# Altium PCB mainboard.PcbDoc (part 5 of 7)
Units mm, origin at the board's own origin, x right, y up, seen from the top; angles counter-clockwise.
Board outline 298.75 x 332.5 mm, 4 copper layers (Top, Ground, Power, Bottom), stack 0.844 mm thick; 349 components, 403 nets, 3466 pads, 640 vias.
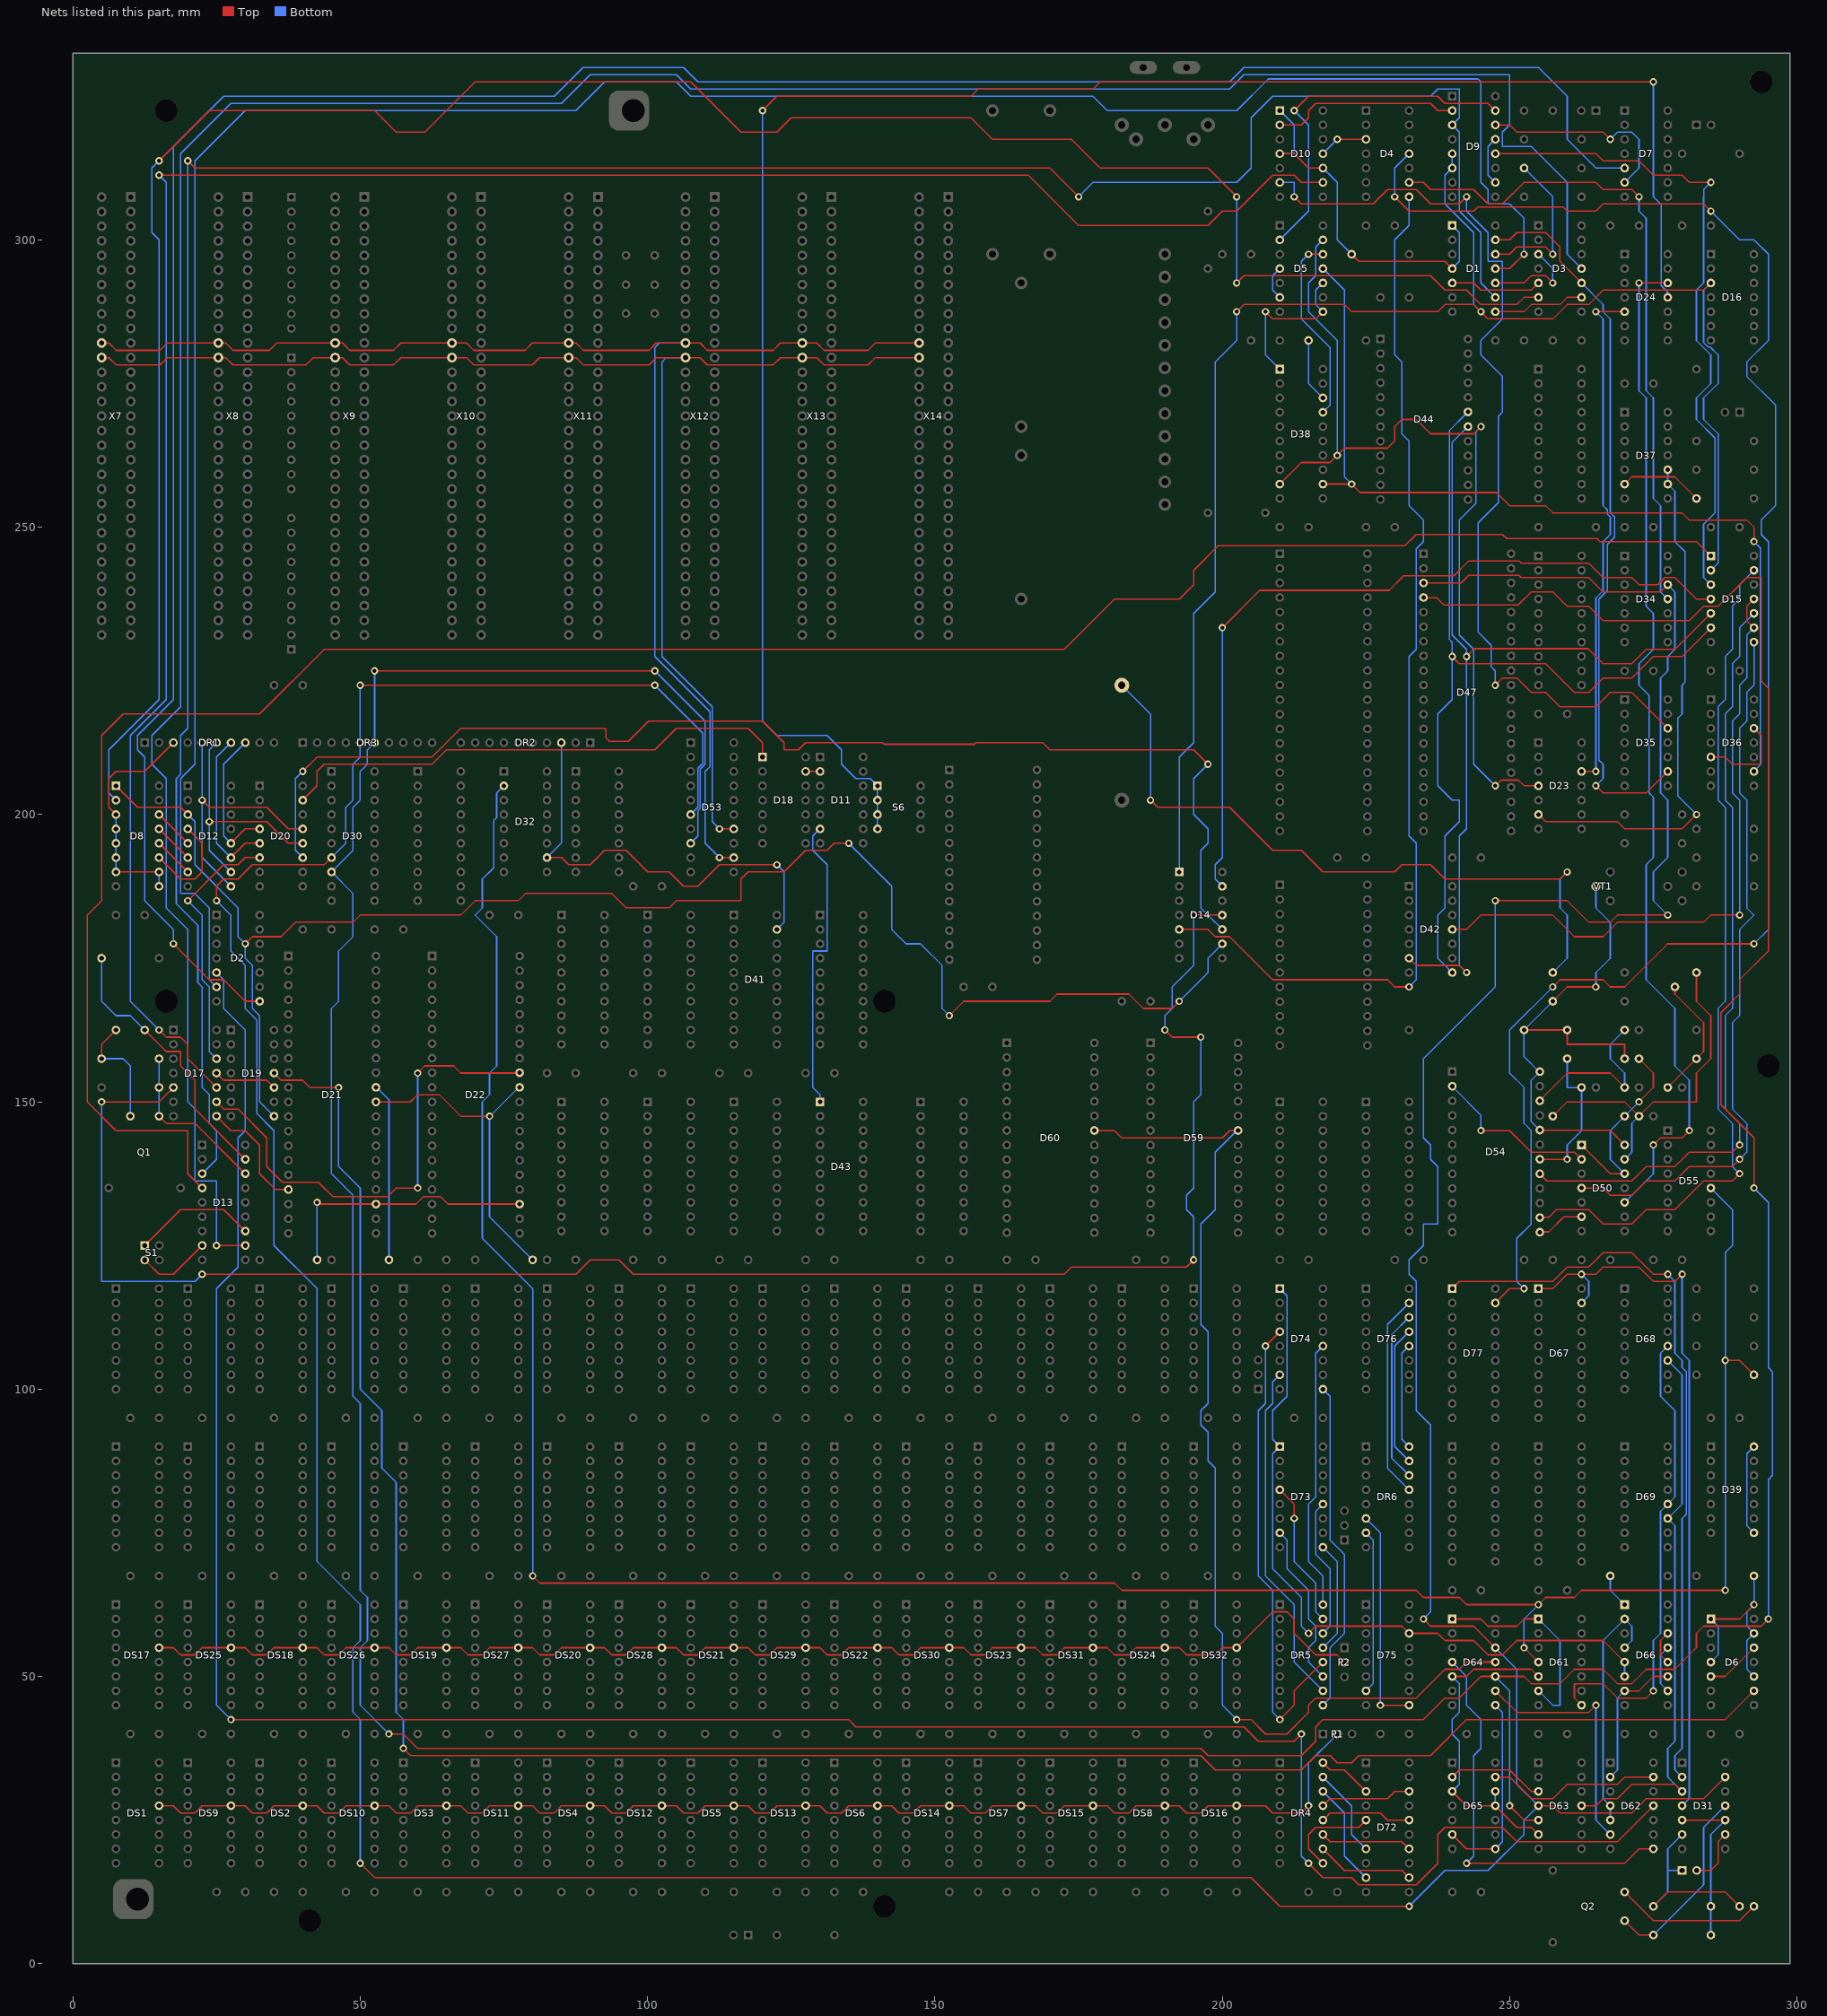
[diagram p7: the nets of this part, all layers, seen from the top]

## Via types
v1: diameter 1.27, hole 0.711, Top to Bottom, tented both sides, 640 vias

## Nets (pads, with @x,y where several pads share a name; then routed paths per layer and width w, separated by ;. In a path a pad name is that pad's centre, name@x,y a point inside that pad or via, vN(x,y) a via of type N, cw(c..) or ccw(c..) an arc to the next point about the centre after c; other vN are vias at no path point) (continued)
MEM16/: D32.2 D55.12 D61.4 R29.1 | length 446.6
  Top w0.254: v1(79.998,67.5) 81.248,66.25 181.248,66.25 182.498,65 233.748,65 234.998,63.75 241.248,63.75 242.498,62.5 v1(254.998,62.5) 256.248,63.75 261.248,63.75 262.498,65 v1(287.498,65) ; v1(252.498,55) D61.4@254.998,52.5 ; v1(287.498,105) 289.998,105 R29.1@292.498,102.5
  Bottom w0.254: D32.2@74.998,205 73.748,203.75 73.748,199.468 73.24,198.96 73.24,190.742 71.248,188.75 71.248,183.75 69.998,182.5 73.748,178.75 73.748,156.25 72.498,155 72.498,151.25 71.248,150 71.248,126.25 79.998,117.5 v1(79.998,67.5) ; v1(252.498,55) 252.498,60 v1(254.998,62.5) ; D55.12@284.998,135 288.748,131.25 288.748,125 287.498,123.75 v1(287.498,105) v1(287.498,65)
MEMC/: D61.5 D63.6 D64.5 D65.3 D65.11 D65.12 | length 58.7
  Top w0.254: D65.3@239.998,30 240,30 242.5,27.5 D65.11@247.498,27.5 251.248,23.75 253.748,23.75 D63.6@254.998,22.5 ; D64.5@239.998,50 242.5,50 243.75,51.25 253.748,51.25 D61.5@254.998,50
  Bottom w0.254: D65.3@239.998,30 240,30 241.25,31.25 241.25,38.75 240,40 240,42.5 241.25,43.75 241.25,48.75 D64.5@240,50 ; D65.11@247.498,27.5 D65.12@247.498,30
MEMD/: D2.5 D62.11 | length 418.8
  Top w0.254: v1(27.498,42.5) 134.998,42.5 136.248,41.25 203.748,41.25 206.248,38.75 212.498,38.75 v1(213.748,40) ; v1(214.998,17.5) 217.498,15 222.498,15 223.748,13.75 233.748,13.75 237.498,17.5 237.498,22.5 238.748,23.75 248.748,23.75 251.249,21.249 256.249,21.249 256.25,21.25 268.75,21.25 ; 268.749,21.251 D62.11@274.998,27.5
  Bottom w0.254: D2.5@24.998,172.5 26.248,171.25 26.248,166.25 29.998,162.5 29.998,145 28.748,143.75 28.748,121.25 24.998,117.5 24.998,45 v1(27.498,42.5) ; v1(213.748,40) 213.748,18.75 v1(214.998,17.5)
MEMR/: D53.14 X7.43 X8.43 X9.43 X10.43 X11.43 X12.43 X13.43 X14.43 | length 241.9
  Top w0.254: X7.43@4.998,279.51 5.003,279.505 6.265,279.505 7.535,278.235 15.155,278.235 16.425,279.505 26.585,279.505 27.855,278.235 40.555,278.235 41.825,279.505 46.905,279.505 48.175,278.235 55.795,278.235 57.065,279.505 68.495,279.505 69.765,278.235 79.925,278.235 81.195,279.505 87.545,279.505 88.815,278.235 100.245,278.235 101.515,279.505 109.135,279.505 110.405,278.235 121.835,278.235 123.105,279.505 129.455,279.505 130.725,278.235 138.345,278.235 139.62,279.51 X14.43@147.238,279.51 ; v1(112.498,197.5) D53.14@114.998,197.5
  Bottom w0.254: X12.43@106.598,279.51 103.258,279.51 102.498,278.75 102.498,227.502 111.25,218.75 111.25,213.752 111.248,213.75 111.248,198.75 v1(112.498,197.5)
MEMW/: D53.12 X7.42 X8.42 X9.42 X10.42 X11.42 X12.42 X13.42 X14.42 | length 251.9
  Top w0.254: X7.42@4.998,282.05 6.261,282.05 7.535,280.775 15.155,280.775 16.425,282.045 26.585,282.045 27.855,280.775 34.205,280.775 35.475,282.045 46.905,282.045 48.175,280.775 55.795,280.775 57.065,282.045 68.495,282.045 69.765,280.775 78.655,280.775 79.925,282.045 87.545,282.045 88.815,280.775 100.245,280.775 101.515,282.045 109.135,282.045 110.405,280.775 121.835,280.775 123.105,282.045 129.455,282.045 130.725,280.775 138.345,280.775 139.615,282.045 X14.42@147.243,282.045 ; v1(112.498,192.5) D53.12@114.998,192.5
  Bottom w0.254: X12.42@106.598,282.05 102.048,282.05 101.248,281.25 101.248,227.502 110.842,217.908 110.842,208.342 110,207.5 110,194.998 v1(112.498,192.5)
MPS/: D4.11 D77.19 | length 309.4
  Top w0.254: v1(229.998,307.5) 230,307.5 232.5,305 243.75,305 244.492,305.742 259.256,305.742 259.998,305 264.998,305 266.248,306.25 283.748,306.25 v1(284.998,305) ; D77.19@247.498,115 249.998,117.5 v1(252.498,117.5) ; v1(257.498,170) 258.748,171.25 266.248,171.25 267.498,170 269.998,170 277.498,177.5 v1(292.498,177.5)
  Bottom w0.254: v1(229.998,307.5) 229.998,312.5 D4.11@232.498,315 ; v1(252.498,117.5) 251.248,118.75 251.248,126.25 253.748,128.75 253.748,145 252.498,146.25 252.498,152.5 249.998,155 249.998,162.5 v1(257.498,170) ; v1(284.998,305) 289.998,300 292.498,300 294.998,297.5 294.998,282.5 291.248,278.75 291.248,276.25 296.248,271.25 296.248,253.75 293.748,251.25 293.748,248.75 294.998,247.5 294.998,180 v1(292.498,177.5)
MRD/: D30.7 D31.13 D34.12 D47.3 D53.6 D63.4 D64.12 DR3.5 | length 886.6
  Top w0.254: v1(25,185) 25,187.5 26.25,188.75 28.75,188.75 31.25,191.25 43.75,191.25 44.998,192.498 D30.7@44.998,192.5 ; v1(50,17.5) 52.5,15 205,15 210,10 v1(232.5,10) ; v1(50,222.5) v1(101.25,222.5) ; v1(234.998,60) 236.248,58.75 243.748,58.75 D64.12@247.498,55 ; D47.3@234.998,240 235.282,240.284 241.534,240.284 242.5,241.25 ; 242.5,241.257 242.874,241.631 251.637,241.631 252.018,241.25 263.75,241.25 266.25,238.75 276.25,238.75 277.498,239.998 D34.12@277.498,240 ; v1(247.498,185) 259.998,185 263.748,181.25 267.498,181.25 268.748,182.5 v1(277.498,182.5) ; D63.4@254.998,27.5 257.5,27.5 258.75,26.25 271.25,26.25 273.75,28.75 283.75,28.75 D31.13@287.498,32.498
  Bottom w0.254: v1(25,185) 27.5,182.5 27.5,176.25 30,173.75 30,166.25 31.99,164.26 31.99,148.01 35,145 35,125 42.5,117.5 42.5,70 50,62.5 50,56.25 48.75,55 48.75,43.75 50,42.5 v1(50,17.5) ; D30.7@44.998,192.5 47.498,195 47.498,201.25 48.748,202.5 48.748,208.75 49.998,210 DR3.5@49.998,212.5 v1@49.998,222.498 ; v1(101.25,222.5) 109.592,214.158 109.592,208.916 108.75,208.075 108.75,201.25 D53.6@107.498,200 D53.6@107.498,200 ; v1(232.5,10) 238.75,16.25 246.25,16.25 252.5,22.5 252.5,25 D63.4@254.998,27.5 D63.4@254.998,27.5 251.248,31.25 251.248,51.25 D64.12@247.498,55 ; v1(234.998,60) 236.248,61.25 236.248,93.75 233.748,96.25 233.748,118.75 232.498,120 232.498,122.5 234.998,125 234.998,128.75 237.498,128.75 237.498,138.75 236.248,140 236.248,142.5 234.998,143.75 234.998,157.5 247.498,170 v1(247.498,185) ; v1(277.498,182.5) 274.998,185 274.998,190 277.498,192.5 277.498,202.5 276.248,203.75 276.248,223.75 277.498,225 277.498,227.5 278.748,228.75 278.748,238.75 D34.12@277.498,240
MRDP/: D59.22 D60.22 D64.11 | length 186.7
  Top w0.254: D60.22@177.498,145 181.248,145 182.498,143.75 200,143.75 201.25,145 D59.22@202.498,145 ; v1(202.498,42.5) 205,42.5 207.5,40 211.25,40 215,43.75 215,45 216.25,46.25 233.75,46.25 238.75,51.25 241.25,51.25 242.5,52.5 D64.11@247.498,52.5
  Bottom w0.254: v1(202.498,42.5) 199.998,45 199.998,57.5 198.748,58.75 198.748,86.25 197.498,87.5 197.498,92.5 196.248,93.75 196.248,96.25 197.498,97.5 197.498,110 196.248,111.25 196.248,128.748 198.75,131.25 198.75,141.252 D59.22@202.498,145
MWR/: D30.8 D47.4 D53.8 D63.5 D64.10 DR3.6 | length 821.5
  Top w0.254: v1(52.5,225) v1(101.25,225) ; v1(55,40) 57.5,40 60,37.5 196.25,37.5 197.5,36.25 213.75,36.25 216.25,38.75 216.25,41.25 217.5,42.5 235,42.5 238.75,46.25 241.25,46.25 245,50 D64.10@247.498,50 252.5,50 253.75,48.75 258.75,48.75 261.25,51.25 266.25,51.25 268.75,48.75 271.25,48.75 273.75,51.25 278.75,51.25 282.5,55 282.5,57.5 283.75,58.75 293.75,58.75 v1(295,60) ; D47.4@234.998,237.5 235.242,237.744 237.256,237.744 238.526,236.474 251.474,236.474 253.75,238.75 257.5,238.75 260,236.25 263.75,236.25 266.25,233.75 281.25,233.75 283.75,236.25 286.25,236.25 291.25,241.25 293.75,241.25 293.75,223.242 295,221.992 295,176.25 290,171.25 290,168.75 286.756,165.506 286.756,149.494 292.5,143.75 v1(292.5,135) ; v1(249.998,27.5) 252.498,25 D63.5@254.998,25
  Bottom w0.254: v1@52.498,224.998 DR3.6@52.498,212.5 51.248,211.25 51.248,208.75 49.998,207.5 49.998,202.5 48.748,201.25 48.748,193.75 D30.8@44.998,190 45,190 48.75,186.25 48.75,178.75 46.25,176.25 46.25,167.5 45,166.25 45,137.5 48.75,133.75 48.75,98.75 50,97.5 50,65 51.25,63.75 51.25,56.25 50,55 50,45 v1(55,40) ; v1(101.25,225) 110,216.25 110,208.75 109.156,207.906 109.156,201.082 108.75,200.675 108.75,196.25 D53.8@107.498,195 D53.8@107.498,195 ; D64.10@247.498,50 249.998,47.5 v1(249.998,27.5) ; v1(292.5,135) 295,132.5 295,103.75 295.742,103.008 295.742,85 295,84.258 v1(295,60)
MXA: D66.5 D66.6 D73.1 D74.1 D75.14 | length 127.9
  Top w0.254: v1(214.998,57.5) 216.248,58.75 231.248,58.75 D75.14@232.498,57.5 237.498,57.5 238.748,56.25 243.75,56.25 246.25,53.75 248.748,53.75 251.248,56.25 266.248,56.25 D66.5@269.998,52.5
  Bottom w0.254: D74.1@209.998,117.5 211.248,116.25 211.248,98.75 208.748,96.25 208.748,91.25 D73.1@209.998,90 208.748,88.75 208.748,68.75 213.748,63.75 213.748,58.75 v1(214.998,57.5) ; D66.6@269.998,50 D66.5@269.998,52.5
NetBT1_1: BT1.1 VD2.A | length 121.4
  Top w0.254: v1(187.498,202.5) 188.75,201.25 201.25,201.25 208.75,193.75 213.75,193.75 217.5,190 230,190 231.25,191.25 236.25,191.25 238.75,188.75 258.75,188.75 v1(260,190)
  Bottom w0.254: BT1.1@182.498,222.5 187.498,217.5 v1(187.498,202.5) ; VD2.A@257.498,172.5 VD2.A@257.498,172.5 260,175 260,182.5 258.75,183.75 258.75,188.75 v1(260,190)
NetC1_1: C1.1 Q1.2 R3.2 | length 20.3
  Top w0.254: R3.2@4.998,157.5 4.998,160 C1.1@7.498,162.5
  Bottom w0.254: R3.2@4.998,157.5 8.748,157.5 9.998,156.25 Q1.2@9.998,147.5
NetC1_2: C1.2 D13.17 R6.2 | length 48.3
  Top w0.254: C1.2@12.498,162.5 16.248,158.75 18.75,158.75 18.75,156.25 21.25,153.75 21.25,148.75 D13.17@29.998,140.002
  Bottom w0.254: R6.2@4.998,175 4.998,167.5 7.498,165 9.998,165 C1.2@12.498,162.5
NetC2_1: C2.1 Q2.2 | length 25.6
  Top w0.254: Q2.2@269.998,12.5 274.998,7.5 289.998,7.5 C2.1@292.498,10
NetC2_2: C2.2 D31.6 R16.2 S7.1 | length 34.1
  Top w0.254: R16.2@274.998,10 277.498,12.5 287.498,12.5 C2.2@289.998,10
  Bottom w0.254: R16.2@274.998,10 277.498,12.5 277.498,20 D31.6@279.998,22.5 ; 277.498,16.25 S7.1@279.998,16.25
NetC3_1: C3.1 D50.13 Q3.1 R22.1 | length 61.2
  Top w0.254: R22.1@257.498,147.5 259.998,150 269.998,150 C3.1@272.498,147.5 274.998,150 282.498,150 282.498,155 284.998,157.5 284.998,165 282.498,167.5 Q3.1@282.498,172.5
  Bottom w0.254: D50.13@269.998,140 271.248,141.25 271.248,146.25 C3.1@272.498,147.5
NetC4_1: C4.1 Q3.2 R24.1 | length 22.2
  Top w0.254: C4.1@277.498,152.5 R24.1@282.498,157.5 283.748,158.75 283.748,163.75 278.748,168.75 Q3.2@278.748,170
NetC5_1: C5.1 D50.14 D54.20 D54.24 R26.1 R27.1 VD1.K VT1.C | length 93.5
  Top w0.254: C5.1@252.498,162.5 R26.1@259.998,162.5 259.998,160 269.998,160 R27.1@269.998,157.5 ; D54.20@254.998,145 255.032,145.034 267.464,145.034 D50.14@269.998,142.5 ; VD1.K@257.498,167.5 259.998,170 v1(264.998,170)
  Bottom w0.254: D54.20@254.998,145 254.998,145.306 253.748,146.556 253.748,153.75 255.168,155.169 252.498,157.839 C5.1@252.498,162.5 VD1.K@257.498,167.5 ; v1(264.998,170) 264.998,172.5 267.498,175 267.498,181.25 264.998,183.75 VT1.C@264.998,187.5
NetC6_1: C6.1 D54.22 R26.2 | length 30.2
  Top w0.254: D54.22@254.998,150 259.998,155 267.498,155 C6.1@269.998,152.5
  Bottom w0.254: C6.1@269.998,152.5 269.998,155 267.498,157.5 267.498,160 R26.2@269.998,162.5
NetC7_1: C7.1 D54.18 R27.2 | length 26
  Top w0.254: D54.18@254.998,140 v1(259.998,140)
  Bottom w0.254: v1(259.998,140) 259.998,142.5 262.498,145 C7.1@262.498,152.5 259.998,152.5 R27.2@259.998,157.5
NetD1_1: D1.1 D1.4 D10.1 D10.4 D10.10 R4.2 | length 63.7
  Top w0.254: D10.4@209.998,315 212.5,315 215,312.5 217.496,312.5 217.498,312.502 D10.10@217.498,312.5 ; R4.2@222.498,297.5 223.748,296.25 238.748,296.25 D1.4@239.998,295
  Bottom w0.254: D10.4@209.998,315 212.498,315 212.498,320 D10.1@209.998,322.5 ; D10.10@217.498,312.5 219.998,310 219.998,300 R4.2@222.498,297.5 ; D1.4@239.998,295 241.248,296.25 241.248,301.25 D1.1@239.998,302.5
NetD1_5: D1.5 D3.5 | length 16
  Top w0.254: D1.5@239.998,292.5 243.748,292.5 244.998,291.25 253.748,291.25 D3.5@254.998,292.5
NetD1_8: D1.8 D3.9 | length 16
  Top w0.254: D1.8@247.498,287.5 252.498,287.5 253.748,288.75 258.748,288.75 259.998,290 D3.9@262.498,290
NetD1_9: D1.9 D9.3 D13.3 | length 457.6
  Top w0.254: v1(20,313.75) 21.25,312.5 169.998,312.5 v1(174.998,307.5)
  Bottom w0.254: v1(20,313.75) 20,215.002 18.748,213.75 18.748,206.992 18.006,206.25 18.006,184.492 21.756,180.742 21.756,170.742 22.498,170 22.498,152.5 23.748,151.25 23.748,146.25 24.998,145 24.998,140 D13.3@22.498,137.5 ; v1(174.998,307.5) 177.498,310 202.498,310 204.998,312.5 204.998,321.25 208.748,325 236.248,325 237.498,326.25 241.248,326.25 241.248,321.25 D9.3@239.998,320 241.248,318.75 241.248,305 244.998,301.25 244.998,292.5 D1.9@247.498,290
NetD1_10: D1.10 D3.3 | length 17.1
  Top w0.254: D1.10@247.498,292.5 252.498,292.5 253.748,293.75 256.248,293.75 v1(257.498,292.5)
  Bottom w0.254: D3.3@254.998,297.5 257.498,295 v1(257.498,292.5)
NetD1_11: D1.11 D2.6 | length 424.2
  Top w0.254: D1.11@247.498,295 249.998,295 v1(252.498,297.5)
  Bottom w0.254: D2.6@24.998,170 23.748,171.25 23.748,183.75 21.248,186.25 18.748,186.25 18.748,206.25 21.248,208.75 21.248,313.75 29.998,322.5 87.5,322.5 92.5,327.5 104.998,327.5 107.498,325 177.498,325 179.998,322.5 202.498,322.5 208.006,328.008 244.49,328.008 244.998,327.5 244.998,310 246.248,308.75 246.248,306.25 249.998,306.25 252.498,303.75 v1(252.498,297.5)
NetD1_12: D1.12 R2.2 | length 28.1
  Top w0.254: D1.12@247.498,297.5 249.998,297.5 251.248,298.75 256.248,298.75 v1(257.498,297.5)
  Bottom w0.254: R2.2@252.498,312.5 257.498,307.5 v1(257.498,297.5)
NetD1_13: D1.13 D3.10 D35.9 | length 127
  Top w0.254: D1.13@247.498,300 249.998,300 251.248,301.25 256.248,301.25 258.748,298.75 258.748,296.25 D3.10@262.498,292.5 ; v1(264.998,205) 266.248,203.75 273.748,203.75 D35.9@277.498,207.5
  Bottom w0.254: D3.10@262.498,292.5 266.248,288.75 266.248,287.5 267.498,286.25 267.498,252.5 268.24,251.758 268.24,248.242 266.99,246.992 266.99,238.96 265.53,237.5 265.53,209.468 266.248,208.75 266.248,206.25 v1(264.998,205)
NetD2_8: D2.8 D7.5 | length 435
  Top w0.254: v1(17.498,177.5) 23.748,171.25 26.248,171.25 29.998,167.5 D2.8@32.498,167.5
  Bottom w0.254: v1(17.498,177.5) 17.498,180 12.498,185 12.498,210 11.248,211.25 11.248,213.75 17.498,220 17.498,316.248 26.25,325 83.75,325 88.75,330 106.248,330 108.748,327.5 201.248,327.5 203.748,330 254.998,330 259.998,325 259.998,317.5 264.998,312.5 D7.5@269.998,312.5
NetD3_6: D3.6 D8.2 | length 393.7
  Top w0.254: v1(15,313.75) 23.75,322.5 52.5,322.5 56.25,318.75 61.25,318.75 70,327.5 107.5,327.5 116.25,318.75 122.5,318.75 125,321.25 156.25,321.25 160,317.5 173.748,317.5 178.748,312.5 197.498,312.5 v1(202.498,307.5) ; v1(202.498,292.5) 203.748,293.75 236.248,293.75 238.748,291.25 242.498,291.25 244.998,288.75 251.248,288.75 252.498,290 D3.6@254.998,290
  Bottom w0.254: D8.2@7.498,202.5 6.248,203.75 6.248,211.25 14.998,220 14.998,300 13.748,301.25 13.748,311.25 13.75,311.252 13.75,312.5 v1(15,313.75) ; v1(202.498,292.5) v1(202.498,307.5)
NetD3_11: D3.11 D13.11 | length 485.8
  Top w0.254: v1(24.998,125) D13.11@29.998,125
  Bottom w0.254: v1(24.998,125) 24.998,136.25 21.248,136.25 21.248,148.75 19.998,150 19.998,180 16.248,183.75 16.248,206.25 13.748,208.75 13.748,213.75 18.748,218.75 18.748,314.998 27.5,323.75 85,323.75 90,328.75 104.998,328.75 107.498,326.25 201.248,326.25 203.748,328.75 249.998,328.75 249.998,320 248.748,318.75 248.748,316.25 253.748,316.25 259.998,310 259.998,297.5 D3.11@262.498,295
NetD4_3: D4.3 D10.11 | length 8.5
  Top w0.254: v1(219.998,317.5) D4.3@224.998,317.5
  Bottom w0.254: D10.11@217.498,315 v1(219.998,317.5)
NetD4_8: D4.8 D14.5 | length 186.8
  Top w0.254: D14.5@192.498,180 197.498,180 198.748,178.75 201.248,178.75 208.748,171.25 228.748,171.25 229.998,170 v1(232.498,170)
  Bottom w0.254: v1(232.498,170) 233.748,171.25 233.748,195 232.498,196.25 232.498,227.5 233.748,228.75 233.748,246.25 234.998,247.5 234.998,251.25 232.498,253.75 232.498,265 231.248,266.25 231.248,278.75 229.998,280 229.998,300 232.498,302.5 D4.8@232.498,307.5
NetD4_9: D4.9 D34.11 | length 116.2
  Top w0.254: D4.9@232.498,310 234.998,310 236.248,308.75 243.75,308.75 244.998,307.502 244.998,307.5 246.248,306.25 248.748,306.25 252.498,310 264.998,310 266.248,308.75 271.248,308.75 v1(272.498,307.5)
  Bottom w0.254: v1(272.498,307.5) 272.498,305 273.748,303.75 273.748,273.75 274.998,272.5 274.998,255 276.248,253.75 276.248,238.75 D34.11@277.498,237.5
NetD5_2: D5.2 D9.15 | length 62.7
  Top w0.254: v1(212.498,322.5) 214.998,325 237.498,325 238.748,323.75 246.248,323.75 D9.15@247.498,322.5
  Bottom w0.254: D5.2@209.998,300 214.998,305 214.998,320 v1(212.498,322.5)
NetD5_4: D5.4 D5.6 | length 6
  Bottom w0.254: D5.6@209.998,290 208.748,291.25 208.748,293.75 D5.4@209.998,295
NetD5_8: D5.8 D5.10 D38.1 | length 28.1
  Top w0.254: v1(207.498,287.5) 208.748,286.25 216.248,286.25 D5.8@217.498,287.5
  Bottom w0.254: v1(207.498,287.5) 207.498,280 D38.1@209.998,277.5 ; D5.8@217.498,287.5 216.248,288.75 216.248,291.25 D5.10@217.498,292.5
NetD5_11: D5.11 D36.9 D38.12 | length 161.1
  Top w0.254: D38.12@217.498,257.5 v1(222.498,257.5) 223.966,256.032 247.716,256.032 249.998,253.75 256.248,253.75 257.498,252.5 279.998,252.5 281.248,251.25 291.248,251.25 292.498,250 v1(292.498,247.5)
  Bottom w0.254: D5.11@217.498,295 221.248,291.25 221.248,258.75 v1(222.498,257.5) ; D36.9@292.498,207.5 293.629,208.631 293.629,246.369 v1(292.498,247.5)
NetD5_12: D5.12 D38.17 | length 33.1
  Top w0.254: v1(215,297.5) D5.12@217.498,297.5
  Bottom w0.254: v1(215,297.5) 213.75,296.25 213.75,286.25 218.75,281.25 218.75,271.25 D38.17@217.498,270 D38.17@217.498,270
NetD5_13: D5.13 D23.4 D38.9 | length 158.2
  Top w0.254: D38.9@209.998,257.5 213.748,261.25 218.748,261.25 v1(219.998,262.5) 221.248,263.75 228.748,263.75 229.998,265 229.998,267.5 231.248,268.75 233.748,268.75 236.248,266.25 243.748,266.25 v1(244.998,267.5) ; v1(247.498,205) 248.492,205.994 251.504,205.994 252.498,205 D23.4@254.998,205
  Bottom w0.254: D5.13@217.498,300 216.248,298.75 216.248,293.75 214.998,292.5 214.998,287.5 219.998,282.5 v1(219.998,262.5) ; v1(244.998,267.5) 244.094,266.596 244.094,254.096 241.248,251.25 241.248,231.25 243.748,228.75 243.748,208.75 v1(247.498,205)